# KiCad board panel_rp2350_20x20_rev2.kicad_pcb (continued)
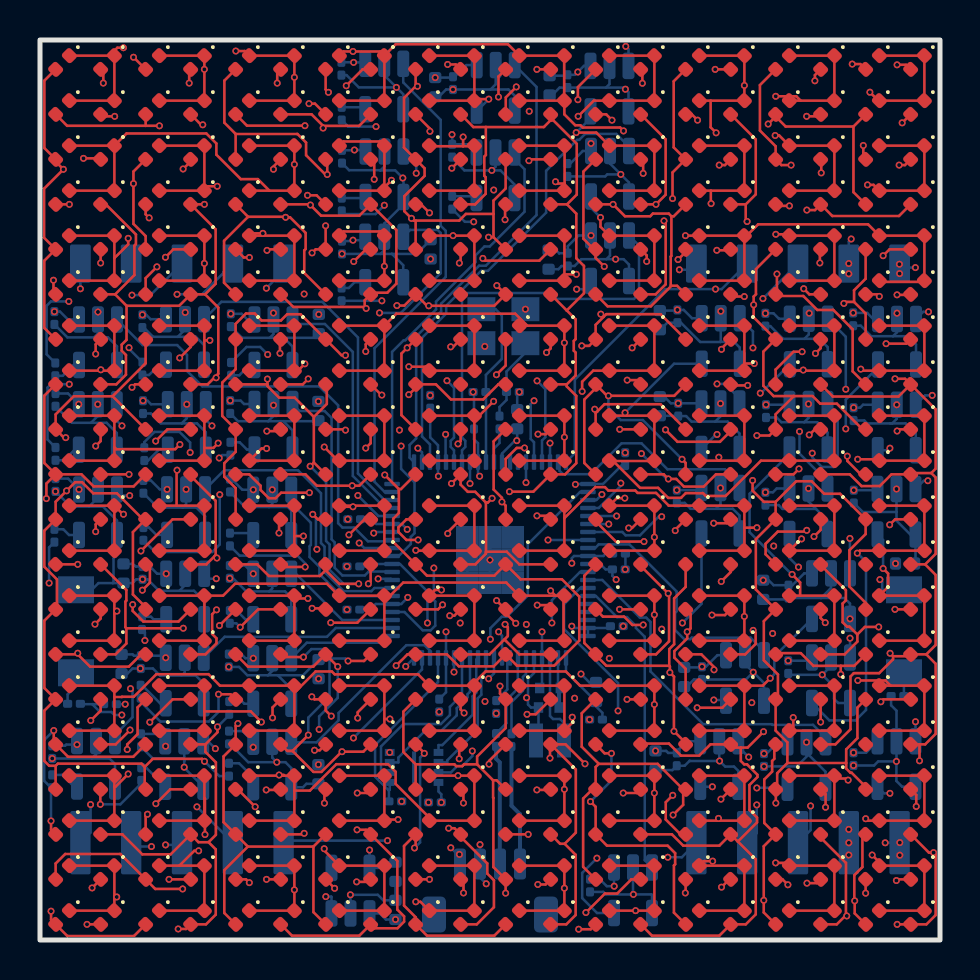
[diagram p0: board, top side]
## Routing (per net, layer and track width the routed paths; a pad name or vN(x,y) marks a point on that pad's centre or on a via; arc(x,y) is an arc through that point) (continued)
/drivers/COL_00: length 2
  Bottom w0.127: U3.5 10.66,8.13 9.95,8.83 R9.1
/drivers/COL_01: length 1.6
  Bottom w0.127: R10.1 5.31,8.61 U4.5
/drivers/COL_02: length 1.5
  Bottom w0.127: U5.5 1.7,7.67 1.12,8.25 R11.1
/drivers/COL_03: length 1.2
  Bottom w0.127: U6.5 10.22,11.81 10.1,11.92 R12.1
/drivers/COL_04: length 1.6
  Bottom w0.127: U7.5 6,11.84 5.1,12.73 R13.1
/drivers/COL_05: length 1.4
  Bottom w0.127: U8.5 10.26,16.04 9.83,16.47 R14.1
/drivers/COL_06: length 1.3
  Bottom w0.127: U9.5 5.67,16.04 5.55,16.17 R15.1
/drivers/COL_07: length 1.2
  Bottom w0.127: U10.5 10.55,20.34 R16.1
/drivers/COL_08: length 1.3
  Bottom w0.127: U11.5 5.81,20.26 5.45,20.62 R17.1
/drivers/COL_09: length 1.3
  Bottom w0.127: R18.1 1.16,20.53 1.45,20.25 U12.5
/drivers/COL_10: length 1.4
  Bottom w0.127: R19.1 9.98,24.89 10.34,24.53 U13.5
/drivers/COL_11: length 1.4
  Bottom w0.127: R20.1 5.4,23.97 5.94,24.51 U14.5
/drivers/COL_12: length 1.4
  Bottom w0.127: 0.77,23.98 1.2,23.98 1.73,24.51 U15.5
/drivers/COL_13: length 1.4
  Bottom w0.127: U16.5 1.68,28.75 1.14,28.21 R22.1
/drivers/COL_14: length 1.2
  Bottom w0.127: R23.1 16.22,37.09 16.28,37.15
/drivers/COL_15: length 1.3
  Bottom w0.127: R24.1 15.44,32.6 15.73,32.89 U18.5
/drivers/COL_16: length 1.4
  Bottom w0.127: R25.1 9.97,28.23 10.48,28.75 U19.5
/drivers/COL_17: length 1.4
  Bottom w0.127: U20.5 5.97,28.77 5.45,28.25 R26.1
/drivers/COL_18: length 1.2
  Bottom w0.127: U21.5 16.16,41.64 R27.1
/drivers/COL_19: length 1.3
  Bottom w0.127: R28.1 21.74,37.19 U22.5
/drivers/COL_MCU_00: length 9.7
  Bottom w0.127: U3.3 12.59,9.88 13.83,9.88 14.93,10.98 14.93,11.35 18.32,14.74 19.22,14.74 19.5,14.46 U2.78
/drivers/COL_MCU_01: length 13.4
  In4.Cu w0.127: v1(15.67,10.1) 15.45,9.88 13.26,9.88 13.1,10.04 9.24,10.04 v1(8.77,9.57)
  Bottom w0.127: v1(15.67,10.1) 19.1,13.53 U2.79 ; v1(8.77,9.57) 8.4,9.94 U4.3
/drivers/COL_MCU_02: length 17.8
  In4.Cu w0.127: v1(4.53,12.57) 4.65,12.69 17.3,12.69 v1(18.29,13.68)
  Bottom w0.127: U5.3 3.75,10.26 4.63,11.14 4.63,12.47 v1(4.53,12.57) ; v1(18.29,13.68) 18.29,13.69 U2.80
/drivers/COL_MCU_03: length 5.5
  Bottom w0.127: U6.3 13.34,14.86 17.27,14.86 U2.1
/drivers/COL_MCU_04: length 10
  Bottom w0.127: U2.2 14.79,15.6 14.35,15.16 9.23,15.16 U7.3
/drivers/COL_MCU_05: length 6
  Bottom w0.127: U8.3 12.79,18.31 15.11,16 U2.3
/drivers/COL_MCU_06: length 17.9
  In4.Cu w0.127: v1(19.69,18.6) 18.74,18.6 17.52,17.38 16.5,17.38 16.44,17.44 9.44,17.44 v1(8.81,18.07)
  Bottom w0.127: v1(8.81,18.07) 8.46,18.07 U9.3 ; U2.4 18.22,16.4 19.13,15.48 19.53,15.48 19.76,15.72 19.76,16.93 19.69,17 v1(19.69,18.6)
/drivers/COL_MCU_07: length 8.9
  Bottom w0.127: U10.3 12.56,21.84 13.54,20.86 13.54,19.75 13.48,19.69 13.48,19.15 13.97,18.66 13.97,18.3 15.08,17.19 17.59,17.19 U2.6
/drivers/COL_MCU_08: length 14.5
  Bottom w0.127: U2.7 16.73,17.6 16.57,17.44 15.18,17.44 14.23,18.4 14.23,19.67 14.05,19.85 14.05,22.34 12.9,23.49 9.21,23.49 U11.3
/drivers/COL_MCU_09: length 17.4
  In4.Cu w0.127: v1(4.48,22.22) 3.81,21.55 3.81,21.1 4.49,20.42 6.74,20.42 8.48,18.68 9.69,18.68 10.42,17.95 15.56,17.95 15.79,18.17 16.79,18.17 v1(16.91,18.06)
  Bottom w0.127: v1(16.91,18.06) 17.54,18.06 U2.8 ; v1(4.48,22.22) 4.15,22.22 U12.3
/drivers/COL_MCU_10: length 12.9
  Bottom w0.127: U13.3 12.98,26.45 14.23,26.45 14.58,26.1 14.58,20.04 14.73,19.88 14.73,18.61 15.12,18.23 16.24,18.23 16.44,18.42 17.58,18.42 U2.9
/drivers/COL_MCU_11: length 17.7
  In4.Cu w0.127: v1(8.6,25.71) 8.76,25.87 16.88,25.87 v1(18.06,24.7)
  Bottom w0.127: U2.11 17.94,19.2 18.54,19.8 18.54,20.15 18.73,20.34 18.73,22.88 18.06,23.55 v1(18.06,24.7) ; U14.3 8.29,26.01 v1(8.6,25.71)
/drivers/COL_MCU_12: length 17.5
  In4.Cu w0.127: v1(15.96,19.85) 14.56,19.85 13.27,21.14 8.15,21.14 6.83,22.46 6.83,22.98 v1(4.1,25.71)
  Bottom w0.127: U2.12 16.21,19.6 v1(15.96,19.85) ; v1(4.1,25.71) 3.84,25.97 U15.3
/drivers/COL_MCU_13: length 22.3
  Bottom w0.127: 3.85,31.02 5.13,29.75 6.86,29.75 7.35,29.26 7.35,28.45 8.12,27.68 13.96,27.68 14.91,26.73 14.91,20.84 15.12,20.62 15.71,20.62 16.4,19.93 17.54,19.93 U2.13
/drivers/COL_MCU_14: length 21.3
  In3.Cu w0.127: v1(16.69,20.34) 18.48,22.14 18.48,24.75 18.81,25.08 18.81,35.81 18.94,35.93 18.94,38.21 v1(18.81,38.34)
  Bottom w0.127: v1(18.81,38.34) 18.81,38.79 18.17,39.42 ; v1(16.69,20.34) 16.74,20.4 U2.14
/drivers/COL_MCU_15: length 19.8
  In3.Cu w0.127: v1(16.97,31.35) 15.89,30.27 15.89,23.02 16.05,22.86 16.05,22.39 v1(15.89,22.22)
  Bottom w0.127: v1(16.97,31.35) 18.05,31.35 20.03,33.34 20.03,35.35 19.88,35.51 18.5,35.51 U18.3 ; U2.16 16.92,21.2 v1(15.89,22.22)
/drivers/COL_MCU_16: length 12.5
  Bottom w0.127: 12.62,31.02 12.85,30.8 14.24,30.8 15.64,29.4 15.64,23.2 17.24,21.6 U2.17
/drivers/COL_MCU_17: length 17.9
  Bottom w0.127: U2.18 17.22,22 15.9,23.32 15.9,30.13 14.12,31.91 9.07,31.91 U20.3
/drivers/COL_MCU_18: length 24.3
  Bottom w0.127: U21.3 18.16,42.88 20.03,41.01 20.03,35.71 20.29,35.46 20.29,33.15 16.73,29.59 16.73,22.91 17.23,22.4 U2.19
/drivers/COL_MCU_19: length 19.7
  Bottom w0.127: 23.72,39.38 23.72,39.04 24.23,38.54 24.23,36.41 22.49,34.68 22.22,34.68 21.78,34.23 21.78,33.89 19.8,31.92 19.8,31.53 18.26,29.99 18.19,29.99 17.6,29.41 U2.20
/drivers/ROW_00: length 71.4
  Top w0.127: v1(4.17,44.61) 3.87,44.61 3.47,44.22 ; D361.1 38.03,41.97 ; 38.03,41.97 37.81,42.19 v1(36.79,42.19) ; 38.03,41.97 D381.1 D341.1 D321.1 ; D221.1 21.79,42.04 v1(22.44,42.04) ; D221.1 D201.1 19.35,42.09 ; D221.1 D181.1 D161.1 ; D1.1 3.47,44.22 ; 3.47,44.22 D21.1 D61.1 D41.1 ; v1(26.91,41.19) 27.69,41.97 D281.1 D301.1 D261.1 D241.1 ; D121.1 D141.1 v1(12.72,43.13) D101.1 D81.1 10.24,44.45 v1(9.79,44.45)
  In4.Cu w0.127: v1(36.79,42.19) 35.96,41.36 27.08,41.36 v1(26.91,41.19) 26.79,41.07 23.41,41.07 v1(22.44,42.04) 16.93,42.04 15.84,43.13 v1(12.72,43.13) ; v1(9.79,44.45) 9.63,44.61 v1(4.17,44.61)
  Bottom w0.127: v1(22.44,42.04) 21.86,41.47 U23.5
/drivers/ROW_01: length 72.9
  Top w0.127: D202.1 D222.1 D182.1 21.69,39.69 21.15,39.69 ; D82.1 D102.1 v1(12.72,38.78) D142.1 11.47,37.47 ; v1(36.76,40.23) 36.96,40.23 D322.1 D342.1 D382.1 D362.1 ; 11.47,37.47 D122.1 ; 11.47,37.47 10.89,38.04 10.04,38.04 8.82,39.27 8.82,39.82 8.32,40.33 4.33,40.33 D22.1 ; D162.1 19.5,39.69 21.15,39.69 ; 21.15,39.69 21.16,39.69 v1(21.16,40.15) ; D282.1 D302.1 D262.1 D242.1 27.82,40.37 v1(26.81,40.37) ; D22.1 D62.1 D42.1 ; D22.1 D2.1
  In4.Cu w0.127: 26.81,40.26 28.85,40.26 29.12,39.99 36.53,39.99 v1(36.76,40.23) ; 26.81,40.26 26.81,40.37 v1(26.81,40.37) ; 26.81,40.26 26.7,40.15 v1(21.16,40.15) 19.79,38.78 v1(12.72,38.78)
  Bottom w0.127: U24.5 27.53,41.09 v1(26.81,40.37)
/drivers/ROW_02: length 77.7
  Top w0.127: D123.1 D143.1 D103.1 D83.1 10.58,35.33 v1(11.15,35.33) ; D3.1 D23.1 3.72,34.09 ; 3.72,34.09 4.41,34.78 v1(4.41,35.08) ; 3.72,34.09 D63.1 D43.1 ; v1(36.79,35.28) 37.4,35.28 D323.1 D343.1 D383.1 D363.1 ; D203.1 D223.1 D183.1 v1(20.65,35.22) D163.1 ; D283.1 28.47,32.97 30.72,32.97 D303.1 D263.1 D243.1 28.03,35.66 v1(28.03,36.13)
  In4.Cu w0.127: v1(4.41,35.08) 4.66,35.33 v1(11.15,35.33) 14.69,35.33 15.4,34.62 20.05,34.62 v1(20.65,35.22) 20.65,35.41 21.62,36.38 27.77,36.38 v1(28.03,36.13) 28.22,36.32 35.38,36.32 36.13,37.07 38.29,37.07 38.74,36.62 38.74,36.37 37.65,35.28 v1(36.79,35.28)
  Bottom w0.127: v1(28.03,36.13) 27.55,36.6 U25.5
/drivers/ROW_03: length 75.7
  Top w0.127: v1(18.44,28.66) 19.27,28.66 D204.1 D224.1 D184.1 D164.1 ; D4.1 D24.1 D64.1 3.08,28.47 ; v1(13.24,28.81) 12.97,28.54 12.72,28.54 ; 38.01,28.47 38.04,28.5 v1(38.16,28.5) ; 38.01,28.47 D364.1 ; 38.01,28.47 D384.1 D344.1 D324.1 ; 12.72,28.54 D104.1 D84.1 ; 12.72,28.54 D144.1 D124.1 ; D244.1 D264.1 D304.1 D284.1 27.66,28.47 27.11,27.91 v1(27.11,27.43) ; 3.08,28.47 v1(3.04,28.51) ; 3.08,28.47 D44.1
  In4.Cu w0.127: v1(36.01,27.34) 29.38,27.34 28.88,26.84 27.95,26.84 27.89,26.9 27.63,26.9 v1(27.11,27.43) 26.23,26.55 24.13,26.55 22.91,27.77 21.51,27.77 21.34,27.6 19.51,27.6 v1(18.44,28.66) 13.24,28.66 ; 13.24,28.66 13.09,28.51 v1(3.04,28.51) ; 13.24,28.66 v1(13.24,28.81)
  Bottom w0.127: v1(38.16,28.5) 37.78,28.5 U26.5 36.04,27.34 v1(36.01,27.34)
/drivers/ROW_04: length 82.6
  Top w0.127: 3.72,24.63 D25.1 D5.1 ; 3.72,24.63 3.81,24.54 6.76,24.54 v1(6.99,24.78) ; 3.72,24.63 D65.1 D45.1 ; D245.1 29.32,26.22 ; 29.32,26.22 D265.1 D305.1 30.7,23.95 28.49,23.95 ; 29.32,26.22 29.25,26.29 v1(29.25,26.36) ; D85.1 D105.1 D145.1 D125.1 11.08,24.58 v1(11.33,24.58) ; D165.1 D185.1 ; D185.1 D225.1 D205.1 ; D185.1 21.96,26.22 v1(22.68,26.93) ; 28.49,23.95 28.66,23.95 30,22.61 30.9,22.61 31.41,22.11 32.05,22.11 32.29,22.34 33.15,22.34 33.29,22.2 34.29,22.2 36.05,23.97 D365.1 D385.1 D345.1 D325.1 ; 28.49,23.95 D285.1
  In4.Cu w0.127: v1(11.33,24.58) 11.23,24.48 8.76,24.48 8.21,25.03 ; 8.21,25.03 8.21,25.88 8.68,26.35 22.09,26.35 v1(22.68,26.93) 23.44,26.17 27.89,26.17 28.08,26.36 v1(29.25,26.36) ; 8.21,25.03 7.25,25.03 v1(6.99,24.78)
  Bottom w0.127: U27.5 31.7,28.81 v1(29.25,26.36)
/drivers/ROW_05: length 86.4
  Top w0.127: 12.72,20.2 D146.1 D126.1 ; 12.72,20.2 D106.1 D86.1 ; 12.72,20.2 v1(13.17,20.2) ; D26.1 D66.1 D46.1 ; D26.1 D6.1 ; D26.1 4.15,21.29 v1(4.17,21.29) ; D326.1 D346.1 D386.1 D366.1 38.06,20.06 v1(38.08,20.06) ; D166.1 D186.1 D226.1 D206.1 18.81,19.47 v1(18.79,19.48) ; v1(29.24,22.09) 28.84,22.09 D246.1 D266.1 v1(30.72,20.14) D306.1 D286.1
  In3.Cu w0.127: v1(26.83,32.54) 27.47,31.9 27.47,26.79 27.37,26.69 27.37,26.39 27.47,26.29 27.47,23.86 v1(29.24,22.09)
  In4.Cu w0.127: v1(30.72,20.14) 30.76,20.1 31.91,20.1 33.01,21.21 36.93,21.21 v1(38.08,20.06) ; v1(29.24,22.09) 28.88,22.09 27.74,23.24 23.11,23.24 21.76,21.88 21.4,21.88 19,19.48 v1(18.79,19.48) 18.48,19.17 13.69,19.17 13.17,19.69 v1(13.17,20.2) 12.65,20.72 4.75,20.72 v1(4.17,21.29)
  Bottom w0.127: v1(26.83,32.54) 27.14,32.54 U28.5
/drivers/ROW_06: length 83.1
  Top w0.127: D87.1 D107.1 ; D107.1 12.86,17.08 v1(13.4,17.08) ; D107.1 D147.1 D127.1 ; 3.72,16.32 D27.1 D7.1 ; 3.72,16.32 D67.1 D47.1 ; 3.72,16.32 v1(3.84,16.45) ; D247.1 D267.1 v1(30.72,16.26) D307.1 D287.1 ; D207.1 D227.1 D187.1 D167.1 19.75,17.5 v1(20.07,17.5) ; D327.1 38.01,17.22 ; 38.01,17.22 D347.1 D387.1 D367.1 ; 38.01,17.22 38.01,17.88 v1(37.6,18.28)
  In4.Cu w0.127: 30.72,18.43 37.46,18.43 v1(37.6,18.28) ; 30.72,18.43 30.1,18.43 29.55,18.97 27.92,18.97 26.48,20.41 22.98,20.41 v1(20.07,17.5) 18,17.5 17.58,17.08 v1(13.4,17.08) 4.85,17.08 4.79,17.14 4.48,17.14 3.84,16.5 v1(3.84,16.45) ; 30.72,18.43 v1(30.72,16.26)
  Bottom w0.127: v1(37.6,18.28) 37.59,18.28 35.48,20.39 35.48,22.31 37.47,24.31 U29.5
/drivers/ROW_07: length 79.6
  Top w0.127: D128.1 D148.1 12.72,12.45 ; 3.72,12.15 D28.1 D8.1 ; 3.72,12.15 D68.1 D48.1 ; 3.72,12.15 4.1,12.15 4.11,12.16 4.69,12.16 5.82,13.29 8.42,13.29 9,12.72 D88.1 D108.1 12.72,12.45 ; D328.1 D348.1 D388.1 D368.1 37.66,10.66 v1(37.66,11.12) ; D208.1 D228.1 D188.1 ; D288.1 D308.1 v1(30.72,11.78) D268.1 D248.1 27,12.72 26.29,13.43 22.28,13.43 21.72,12.87 D188.1 ; D188.1 D168.1 18.9,13.28 14.74,13.28 14.59,13.43 13.78,13.43 12.8,12.45 12.72,12.45
  In3.Cu w0.127: v1(33.85,25.28) 34.82,24.31 34.82,12.63 v1(35.59,11.87)
  In4.Cu w0.127: v1(37.66,11.12) 36.91,11.87 v1(35.59,11.87) 35.36,11.64 33.35,11.64 33.01,11.98 30.92,11.98 v1(30.72,11.78)
  Bottom w0.127: v1(33.85,25.28) 33.8,25.28 U30.5
/drivers/ROW_08: length 95.1
  Top w0.127: 12.22,8.22 D109.1 12.72,7.47 ; 12.22,8.22 12.19,8.25 v1(11.95,8.25) ; 12.22,8.22 D89.1 ; v1(4.41,8.3) 3.77,7.66 3.72,7.66 ; 39.72,8.07 D349.1 D329.1 ; 39.72,8.07 40.33,8.07 v1(40.41,7.99) ; 39.72,8.07 D389.1 D369.1 ; 12.72,7.47 13.49,7.47 14.81,8.79 17.4,8.79 17.78,8.41 17.78,7.8 19.47,6.12 D209.1 D229.1 D189.1 v1(20.9,8.22) D169.1 ; 12.72,7.47 D149.1 D129.1 ; 3.72,7.66 D69.1 D49.1 ; 3.72,7.66 D29.1 D9.1 ; D289.1 D309.1 v1(30.72,7.35) D269.1 D249.1
  In3.Cu w0.127: v1(40.29,25.55) 41.26,24.59 41.26,19.17 41.1,19.01 41.1,14.6 41.26,14.44 41.26,12.51 41.11,12.36 41.11,8.64 40.46,7.99 v1(40.41,7.99)
  In4.Cu w0.127: v1(40.41,7.99) 39.65,7.23 35.69,7.23 35.52,7.41 33.9,7.41 33.78,7.3 32.09,7.3 31.79,7.6 30.97,7.6 v1(30.72,7.35) 29.85,8.22 v1(20.9,8.22) ; v1(11.95,8.25) 4.46,8.25 v1(4.41,8.3)
  Bottom w0.127: 41.9,28.78 41.9,28.63 40.29,27.02 v1(40.29,25.55)
/drivers/ROW_09: length 88.1
  Top w0.127: D250.1 D270.1 D310.1 v1(29.78,1.47) D290.1 ; D50.1 D70.1 3.72,2.03 ; D130.1 D150.1 v1(12.72,2.51) D110.1 D90.1 ; D370.1 D390.1 D350.1 D330.1 37.33,3.86 v1(36.78,3.86) ; 3.72,2.03 v1(3.84,2.15) ; 3.72,2.03 D30.1 D10.1 ; D170.1 D190.1 D230.1 D210.1 19.02,1.91 v1(18.79,1.91)
  In3.Cu w0.127: v1(36.78,3.86) 38.91,5.98 38.91,9.91 38.03,10.79 38.03,18.55 v1(37.92,18.65)
  In4.Cu w0.127: 29.78,1.56 v1(29.78,1.47) ; 29.78,1.56 34.48,1.56 v1(36.78,3.86) ; 29.78,1.56 29.43,1.91 v1(18.79,1.91) 18.65,1.78 13.45,1.78 v1(12.72,2.51) 12.36,2.15 v1(3.84,2.15)
  Bottom w0.127: U32.5 37.47,19.1 v1(37.92,18.65)
/drivers/ROW_10: length 90.8
  Top w0.127: D371.1 D391.1 D351.1 42.14,3.72 ; 42.14,3.72 v1(41.61,4.25) ; 42.14,3.72 D331.1 ; v1(7.93,4.46) 7.71,4.46 6.97,3.72 ; 6.97,3.72 D31.1 D71.1 D51.1 ; 6.97,3.72 D11.1 ; v1(33.63,3.94) 33.19,3.94 D251.1 D271.1 D311.1 D291.1 ; D171.1 D191.1 v1(26.22,2.59) D231.1 D211.1 ; D131.1 D151.1 D111.1 D91.1 14.21,4.48 v1(14.21,4.56)
  In3.Cu w0.127: v1(33.63,3.94) 32.15,5.43 32.15,11.09 31.86,11.38 31.86,15.59 v1(32.12,15.85)
  In4.Cu w0.127: v1(41.61,4.25) 41.24,3.88 37.33,3.88 36.98,4.23 33.92,4.23 v1(33.63,3.94) 33.41,3.72 27.35,3.72 v1(26.22,2.59) 24.91,3.9 14.87,3.9 v1(14.21,4.56) 8.03,4.56 v1(7.93,4.46)
  Bottom w0.127: v1(32.12,15.85) 33.08,16.81 U33.5
/drivers/ROW_11: length 92.5
  Top w0.127: D152.1 D112.1 D92.1 ; D152.1 17.27,6.02 v1(17.9,6.02) ; D152.1 D132.1 ; v1(8.25,5.27) 8.25,7.06 8.22,7.09 ; 8.22,7.09 D72.1 D52.1 ; 8.22,7.09 D32.1 D12.1 ; 33.92,5.97 D312.1 D272.1 D252.1 ; 33.92,5.97 D292.1 ; 33.92,5.97 v1(33.92,6.08) ; D332.1 D352.1 D392.1 D372.1 41.38,5.97 v1(41.29,6.06) ; D172.1 D192.1 v1(26.22,7.53) D232.1 D212.1
  In3.Cu w0.127: v1(41.29,6.06) 41.78,6.06 43.23,7.51 43.23,13.62 43.4,13.79 43.4,15.53 43.23,15.7 43.23,23.85 v1(42.5,24.59)
  In4.Cu w0.127: v1(41.29,6.06) 33.94,6.06 v1(33.92,6.08) 33.39,6.62 27.81,6.62 27.73,6.53 27.22,6.53 v1(26.22,7.53) 24.71,6.02 v1(17.9,6.02) 9,6.02 v1(8.25,5.27)
  Bottom w0.127: v1(42.5,24.59) 42.39,24.49 U34.5
/drivers/ROW_12: length 76.3
  Top w0.127: 17.22,11.05 D113.1 D93.1 ; 17.22,11.05 D153.1 D133.1 ; 17.22,11.05 v1(17.5,11.05) ; D13.1 D33.1 8.22,11.43 ; D373.1 D393.1 D353.1 42.53,12.72 ; 42.53,12.72 D333.1 ; 42.53,12.72 42.27,12.98 v1(40.89,12.98) ; 8.22,11.43 D73.1 D53.1 ; 8.22,11.43 10.54,11.43 v1(11.07,10.9) ; D273.1 36.14,12.72 v1(36.51,13.09) ; D273.1 D313.1 D293.1 ; D273.1 D253.1 ; D233.1 D213.1 ; D233.1 D193.1 D173.1 ; D233.1 26.61,10.86 v1(26.61,11.14)
  In4.Cu w0.127: v1(40.89,12.98) 40.8,12.88 36.51,12.88 ; 36.51,12.88 v1(36.51,13.09) ; 36.51,12.88 28.35,12.88 v1(26.61,11.14) 26.36,10.89 17.58,10.89 17.5,10.97 ; 17.5,10.97 v1(17.5,11.05) ; 17.5,10.97 17.24,10.71 14.29,10.71 14.11,10.89 13.19,10.89 13,10.71 11.26,10.71 v1(11.07,10.9)
  Bottom w0.127: U35.5 36.72,14.17 36.72,13.29 v1(36.51,13.09)
/drivers/ROW_13: length 79.1
  Top w0.127: D294.1 D314.1 35.22,16.18 ; 14.95,17.2 14.34,17.81 9.75,17.81 9.16,17.22 D34.1 ; 14.95,17.2 D94.1 D114.1 17.22,16.93 ; 14.95,17.2 14.94,17.19 ; 35.22,16.18 D274.1 D254.1 ; 35.22,16.18 v1(35.22,16.18) ; 25.77,17.22 D194.1 26.18,17.18 26.18,15.01 D234.1 D214.1 ; 25.77,17.22 v1(25.53,17.46) ; 25.77,17.22 D174.1 23.32,17.87 18.16,17.87 17.22,16.93 ; D34.1 D14.1 ; D34.1 D74.1 D54.1 ; v1(42.15,18.58) 42.41,18.32 42.41,17.66 D334.1 D354.1 D394.1 D374.1 ; 14.94,15 D134.1 D154.1 17.22,16.93
  In4.Cu w0.127: v1(42.15,18.58) 42.37,18.36 42.37,17.8 41.02,16.45 40.91,16.45 ; v1(25.53,17.46) 28.28,14.71 40.64,14.71 40.91,14.98 40.91,16.45 ; 40.91,16.45 35.49,16.45 v1(35.22,16.18)
  Bottom w0.127: v1(42.15,18.58) 42.15,20 41.88,20.28
/drivers/ROW_14: length 98.8
  Top w0.127: 6.83,21.72 6.83,23.47 v1(6.85,23.49) ; 6.83,21.72 D15.1 ; 6.83,21.72 D35.1 D75.1 D55.1 ; 35.22,20.61 D315.1 D295.1 ; 35.22,20.61 v1(35.85,20.61) ; 35.22,20.61 D275.1 D255.1 31.44,21.72 30.8,22.35 29.88,22.35 29.76,22.47 28.42,22.47 28.25,22.64 27.77,22.64 26.22,21.09 ; D215.1 D235.1 26.22,21.09 ; v1(40.86,19.34) 40.99,19.47 D375.1 D395.1 D355.1 D335.1 ; 26.22,21.09 D195.1 D175.1 ; v1(15.65,21.66) 15.02,21.66 D95.1 D115.1 D155.1 D135.1
  In4.Cu w0.127: v1(6.85,23.49) 7.4,22.94 14.37,22.94 v1(15.65,21.66) 15.85,21.66 16.41,22.22 21.56,22.22 22.83,23.49 27.84,23.49 28.87,22.47 29.41,22.47 29.65,22.22 29.65,21.91 29.3,21.56 28.68,21.56 28.04,20.92 28.04,20.65 28.95,19.73 29.87,19.73 30.05,19.55 34.78,19.55 v1(35.85,20.61) 36.29,20.61 37.56,19.34 v1(40.86,19.34)
  Bottom w0.127: v1(40.86,19.34) 41.3,18.9 41.3,11.5 40.78,10.98 39.47,10.98 U37.5
/drivers/ROW_15: length 84.5
  Top w0.127: v1(8.91,24.84) 8.67,24.6 8.22,24.6 ; 33.94,23.97 D296.1 ; 33.94,23.97 v1(33.94,24.14) ; 33.94,23.97 D316.1 D276.1 D256.1 ; D216.1 D236.1 v1(26.22,25.14) D196.1 D176.1 ; D336.1 D356.1 D396.1 D376.1 41.9,24.04 v1(40.89,24.04) ; v1(14.21,24.65) 14.89,23.97 D136.1 D156.1 D116.1 D96.1 ; 8.22,24.6 D76.1 D56.1 ; 8.22,24.6 D36.1 D16.1
  In3.Cu w0.127: v1(33.69,12) 34.44,12.75 34.44,23.64 v1(33.94,24.14)
  In4.Cu w0.127: 14.21,25.02 v1(14.21,24.65) ; 14.21,25.02 9.08,25.02 v1(8.91,24.84) ; 14.21,25.02 17.22,25.02 18.06,24.17 25.47,24.17 26.22,24.92 ; 33.94,24.76 26.38,24.76 26.22,24.92 ; 33.94,24.76 v1(33.94,24.14) ; 33.94,24.76 40.33,24.76 40.89,24.2 v1(40.89,24.04) ; 26.22,24.92 v1(26.22,25.14)
  Bottom w0.127: U38.5 34.26,12 v1(33.69,12)
/drivers/ROW_16: length 100.5
  Top w0.127: D57.1 D77.1 8.22,29.98 ; D297.1 D317.1 35.22,28.82 ; D17.1 D37.1 8.22,29.98 ; 35.22,28.82 D277.1 D257.1 ; 35.22,28.82 v1(35.72,28.82) ; D177.1 24.36,30.72 ; 24.36,30.72 D197.1 v1(26.22,29.86) D237.1 D217.1 ; 24.36,30.72 23.77,31.31 17.81,31.31 D117.1 ; v1(8.49,29.98) 8.22,29.98 ; D337.1 D357.1 D397.1 D377.1 41.12,28.47 v1(41.04,28.54) ; D97.1 D117.1 ; D117.1 D157.1 D137.1
  In3.Cu w0.127: v1(42.49,7.33) 41.36,8.47 41.36,12.25 41.55,12.44 41.55,14.5 41.36,14.69 41.36,18.92 41.55,19.11 41.55,28.03 v1(41.04,28.54)
  In4.Cu w0.127: 36.08,28.91 35.8,28.91 v1(35.72,28.82) ; 36.08,28.91 36.08,29.71 35.71,30.09 26.44,30.09 v1(26.22,29.86) 25.74,30.34 8.85,30.34 v1(8.49,29.98) ; 36.08,28.91 40.68,28.91 v1(41.04,28.54)
  Bottom w0.127: v1(42.49,7.33) 42.2,7.33 U39.5
/drivers/ROW_17: length 103
  Top w0.127: D58.1 D78.1 v1(8.22,33.83) D38.1 D18.1 ; D138.1 D158.1 v1(17.22,33.69) D118.1 17.01,35.43 15.18,35.43 D98.1 14.97,35.02 ; D298.1 D318.1 35.22,35.1 ; 35.22,35.1 D278.1 D258.1 32.97,35.22 v1(32.27,35.22) ; 35.22,35.1 35.91,35.78 41.4,35.78 D338.1 D358.1 D398.1 44.16,32.91 42.03,32.91 D378.1 ; 26.22,33.28 v1(26.82,33.28) ; 26.22,33.28 26.22,32.97 D238.1 D218.1 ; 26.22,33.28 26.22,35.22 D198.1 D178.1
  In3.Cu w0.127: v1(32.27,35.22) 32.27,36.14 33.36,37.23 33.77,37.23 34.82,36.17 34.82,25.63 35.08,25.37 35.08,18.55 35.58,18.05 35.58,16.08 36.03,15.64 36.03,10.78 35.8,10.56 35.8,7.64 v1(35.84,7.6)
  In4.Cu w0.127: v1(8.22,33.83) 8.53,33.52 17.05,33.52 v1(17.22,33.69) 17.43,33.47 26.63,33.47 v1(26.82,33.28) 28.75,35.22 v1(32.27,35.22)
  Bottom w0.127: U40.5 35.85,7.61 v1(35.84,7.6)
/drivers/ROW_18: length 101.8
  Top w0.127: D59.1 D79.1 8.22,37.69 ; 17.22,37.63 v1(17.57,37.99) ; 17.22,37.63 D159.1 D139.1 ; 17.22,37.63 D119.1 17.01,39.93 15.18,39.93 D99.1 ; D19.1 D39.1 8.22,37.69 ; 33.54,37.47 D299.1 ; 33.54,37.47 33.54,36.83 v1(33.55,36.82) ; 33.54,37.47 D319.1 D279.1 D259.1 ; v1(25.78,37.91) 25.87,37.82 26.23,37.82 ; 26.23,37.82 26.23,37.48 D239.1 D219.1 ; 26.23,37.82 26.23,39.71 D199.1 D179.1 ; v1(41.37,37.76) 41.68,37.76 D379.1 D399.1 D359.1 D339.1 ; 8.22,37.69 v1(8.86,37.69)
  In3.Cu w0.127: v1(33.62,7.66) 32.47,8.81 32.47,11.13 32.11,11.48 32.11,14.65 32.83,15.36 32.83,36.1 v1(33.55,36.82)
  In4.Cu w0.127: v1(33.55,36.82) 33.29,37.08 33.29,37.32 ; v1(8.86,37.69) 8.88,37.67 17.26,37.67 v1(17.57,37.99) 17.87,37.69 22.36,37.69 22.53,37.86 25.78,37.86 ; 33.29,37.32 32.75,37.86 25.78,37.86 ; 33.29,37.32 33.73,37.76 v1(41.37,37.76) ; 25.78,37.86 v1(25.78,37.91)
  Bottom w0.127: U41.5 v1(33.62,7.66)
/drivers/ROW_19: length 110.8
  Top w0.127: D240.1 26.22,41.28 26.76,40.74 27.02,40.74 27.13,40.62 29.01,40.62 v1(29.18,40.46) ; D240.1 D220.1 ; D240.1 26.21,41.98 26.21,44.21 D200.1 D180.1 23.39,44.79 17.79,44.79 D120.1 ; D20.1 D40.1 v1(8.22,43.53) D80.1 D60.1 ; D120.1 17.01,44.43 v1(15.65,44.43) 15.18,44.43 D100.1 ; D120.1 D160.1 D140.1 ; 33.53,41.97 33.53,40.63 v1(33.81,40.36) ; 33.53,41.97 D320.1 v1(35.22,42.73) D280.1 D260.1 ; 33.53,41.97 D300.1 ; v1(41.49,42.39) 41.92,41.97 D380.1 D400.1 D360.1 D340.1
  In3.Cu w0.127: v1(29.18,40.46) 29.18,40.94 28.76,41.36 28.42,41.36 26.45,39.39 26.45,30.23 26.61,30.06 26.61,25.95 27.22,25.34 27.22,21.37 27.94,20.64 27.94,4.19 v1(27.85,4.09)
  In4.Cu w0.127: v1(35.22,42.73) 35.4,42.55 41.33,42.55 v1(41.49,42.39) ; v1(8.22,43.53) 14.76,43.53 v1(15.65,44.43) ; v1(33.81,40.36) 29.27,40.36 v1(29.18,40.46)
  Bottom w0.127: v1(27.85,4.09) 27.11,3.35 27.11,2.09 27.85,1.35 U42.5
/drivers/ROW_MCU_00: length 23.2
  Bottom w0.127: 23.73,43.74 24.83,42.65 24.83,36.25 22.29,33.71 21.96,33.71 20.06,31.82 20.06,31.42 18.81,30.17 18.81,25.08 18.48,24.75 18.48,24.12 U2.21
/drivers/ROW_MCU_01: length 26.4
  In3.Cu w0.127: v1(18.89,24.59) 21.18,26.87 21.18,29.53 21.46,29.82 21.46,35.11 26.14,39.8 26.14,41.79 29.03,44.68 v1(29.29,44.68)
  Bottom w0.127: U2.22 19.1,24.39 v1(18.89,24.59) ; v1(29.29,44.68) 29.42,44.54 U24.3
/drivers/ROW_MCU_02: length 22.9
  Bottom w0.127: U25.3 29.45,39.67 28.81,40.3 27.26,40.3 26.96,40.01 26.85,40.01 25.31,38.46 25.31,36.37 22.4,33.46 22.06,33.46 20.31,31.71 20.31,31.32 19.1,30.11 19.1,25.18 19.5,24.78 U2.23
/drivers/ROW_MCU_03: length 26.2
  In4.Cu w0.127: v1(40.29,27.54) 38.73,25.98 28.05,25.98 27.99,25.92 20.92,25.92 v1(20.28,25.28)
  Bottom w0.127: v1(20.28,25.28) 20.28,23.92 U2.25 ; v1(40.29,27.54) 40.29,30.16 U26.3
/drivers/ROW_MCU_04: length 22.1
  In4.Cu w0.127: v1(20.35,27.96) 21.02,28.64 34.68,28.64 v1(35.65,29.6)
  Bottom w0.127: U27.3 35.65,30.43 v1(35.65,29.6) ; U2.26 20.7,24.49 20.53,24.65 20.53,24.96 20.7,25.12 20.7,27.61 v1(20.35,27.96)
/drivers/ROW_MCU_05: length 20.7
  Bottom w0.127: U2.27 21.1,24.49 21.27,24.65 21.27,24.96 21.1,25.12 21.1,32.14 21.31,32.35 25.21,32.35 25.5,32.05 29.7,32.05 29.95,32.3 29.95,34.72 U28.3
/drivers/ROW_MCU_06: length 24.1
  In4.Cu w0.127: v1(21.5,22.82) 21.5,23.24 22.03,23.77 31.85,23.77 31.95,23.67 37.55,23.67 38.22,24.34 v1(38.61,24.34)
  Bottom w0.127: U2.28 v1(21.5,22.82) ; v1(38.61,24.34) 38.61,24.13 39.09,23.65 39.67,23.65 39.88,23.86 39.88,26.29 U29.3
/drivers/ROW_MCU_07: length 14.5
  In4.Cu w0.127: v1(24.7,26.96) 25.53,27.8 27.26,27.8 27.43,27.63 33.68,27.63 v1(33.85,27.8)
  Bottom w0.127: v1(33.85,27.8) 34.25,27.8 34.97,27.08 U30.3 ; U2.36 24.7,24.89 24.53,25.05 24.53,26.8 v1(24.7,26.96)
/drivers/ROW_MCU_08: length 26.3
  In4.Cu w0.127: v1(44.42,31.41) 41.13,28.12 34.06,28.12 33.81,28.36 25.26,28.36 v1(24.85,27.96)
  Bottom w0.127: U2.37 25.1,24.98 25.27,25.14 25.27,27.55 v1(24.85,27.96) ; U31.3 44.16,31.41 v1(44.42,31.41)
/drivers/ROW_MCU_09: length 17.7
  In4.Cu w0.127: v1(37.98,25.43) 37.72,25.69 33.26,25.69 32.72,25.14 27.7,25.14 27.32,25.52 26.06,25.52 25.5,24.97 v1(25.5,24.84)
  Bottom w0.127: U32.3 39.38,22.92 37.98,24.32 v1(37.98,25.43) ; U2.38 v1(25.5,24.84)
/drivers/ROW_MCU_10: length 11.2
  Bottom w0.127: U33.3 34.97,22.81 34.25,23.54 31.37,23.54 30.08,24.83 29.08,24.83 27.53,23.29 26.15,23.29 25.98,23.46 25.98,23.82 U2.39
/drivers/ROW_MCU_11: length 21.7
  In4.Cu w0.127: v1(44.61,27.23) 44.61,26.16 41.64,23.19 37.8,23.19 37.57,23.42 31.27,23.42 31.05,23.2 31.05,22.95 29.32,21.22 28.85,21.22 v1(28.83,21.2)
  Bottom w0.127: v1(44.61,27.23) 44.26,27.23 U34.3 ; U2.45 28.83,21.2 v1(28.83,21.2)
/drivers/ROW_MCU_12: length 15.8
  In4.Cu w0.127: v1(28.44,20.8) 29.11,20.8 29.28,20.96 29.58,20.96 29.75,20.79 31.57,20.79 32.23,21.46 39.12,21.46 v1(40.5,20.08)
  Bottom w0.127: v1(40.5,20.08) 40.5,18.34 U35.3 ; v1(28.44,20.8) 27.4,20.8 U2.46
/drivers/ROW_MCU_13: length 19
  In4.Cu w0.127: v1(31.09,21.16) 31.63,21.71 43.14,21.71 v1(44.39,22.96)
  Bottom w0.127: v1(44.39,22.96) 44.19,22.96 U36.3 ; U2.47 29.11,20.4 29.28,20.23 30,20.23 30.93,21.16 v1(31.09,21.16)
/drivers/ROW_MCU_14: length 20.4
  In4.Cu w0.127: v1(25.4,20) 26.31,20 30.19,16.12 30.31,16.12 30.72,15.71 30.72,15.39 31.15,14.96 40.37,14.96 v1(40.5,15.09)
  Bottom w0.127: U2.48 v1(25.4,20) ; U37.3 v1(40.5,15.09)
/drivers/ROW_MCU_15: length 12.6
  Bottom w0.127: U2.49 27.76,19.6 27.94,19.78 29.47,19.78 31.83,17.43 31.83,16.44 31.75,16.36 31.75,15.5 32.21,15.04 32.51,15.04 32.58,15.12 35.53,15.12 36.2,14.45 U38.3
/drivers/ROW_MCU_16: length 24.7
  In4.Cu w0.127: v1(43.78,10.91) 40.23,14.45 26.99,14.45 v1(25.59,15.85)
  Bottom w0.127: v1(25.59,15.85) 25.59,16.99 27,18.4 U2.52 ; U39.3 v1(43.78,10.91)
/drivers/ROW_MCU_17: length 16.8